# Altium PCB 4090ovo(003).pcbdoc (part 1 of 3) (continued)
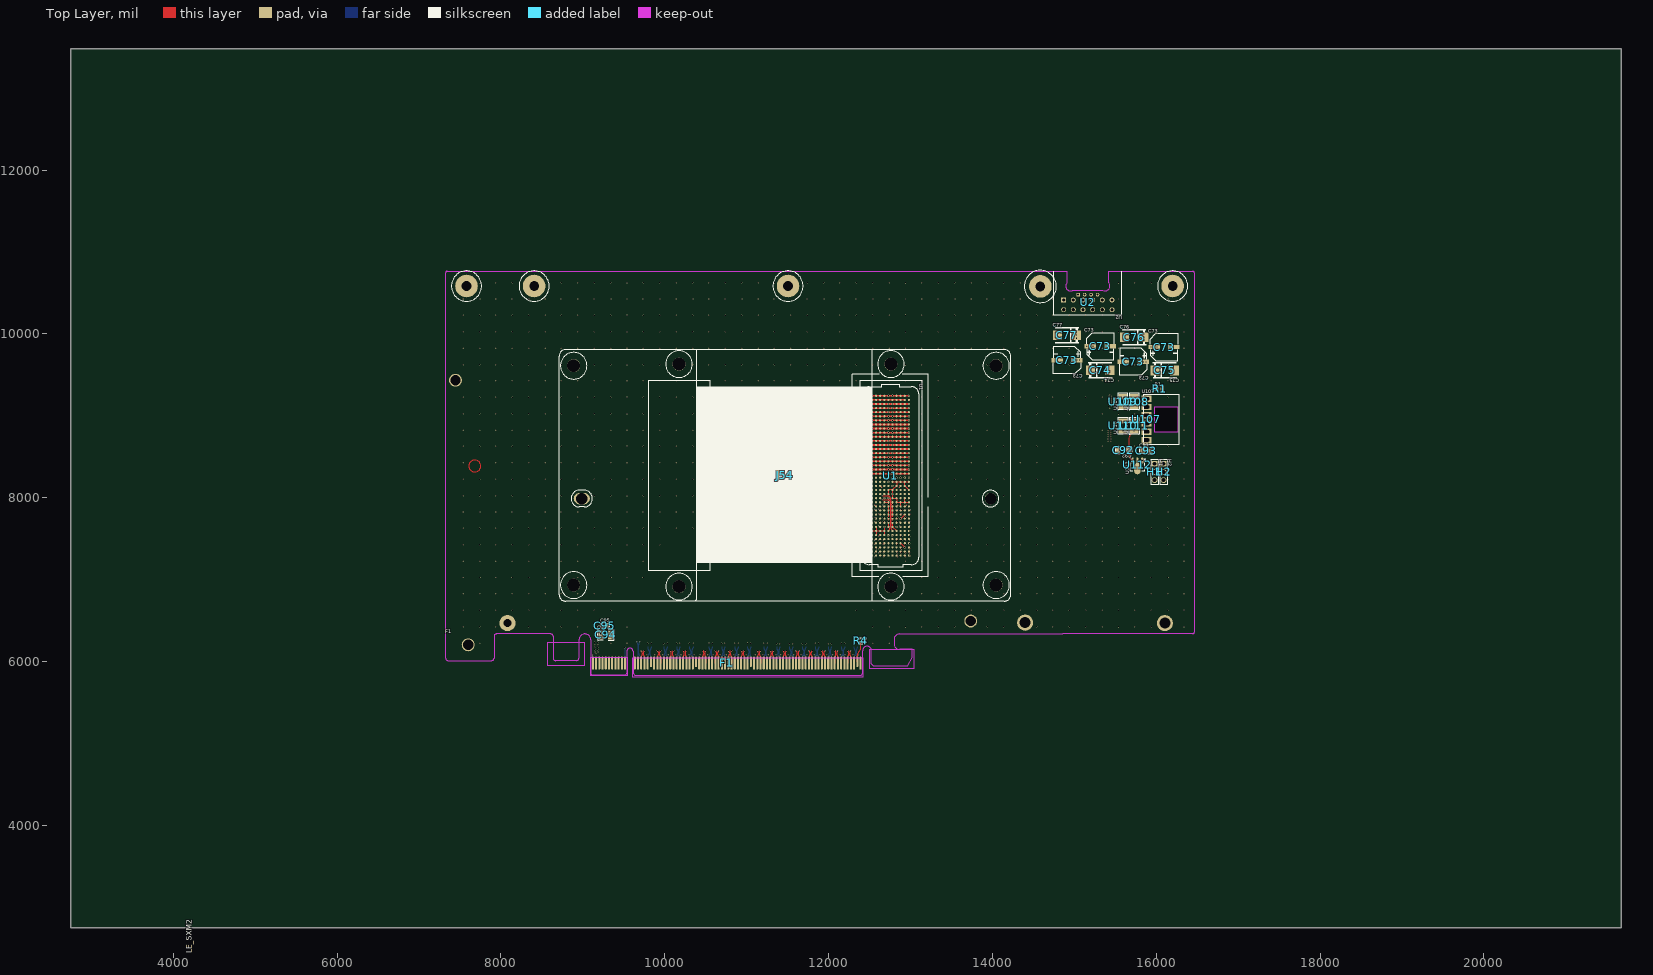
[diagram p0: Top Layer view]
## Components (designator, comment, footprint, x,y, rotation, side; value= is the part's Value field where it differs from the comment)
C1 "CL05B224KO5NNNC" C0402 9985,6200 r90 bottom
C2 "CL05B224KO5NNNC" C0402 10030,6200 r90 bottom
C3 "CL05B224KO5NNNC" C0402 10145,6200 r90 bottom
C4 "CL05B224KO5NNNC" C0402 10185,6200 r90 bottom
C5 "CL05B224KO5NNNC" C0402 10300,6200 r90 bottom
C6 "CL05B224KO5NNNC" C0402 10345,6200 r90 bottom
C7 "CL05B224KO5NNNC" C0402 10540,6200 r90 bottom
C8 "CL05B224KO5NNNC" C0402 10580,6200 r90 bottom
C9 "CL05B224KO5NNNC" C0402 10695,6200 r90 bottom
C10 "CL05B224KO5NNNC" C0402 10735,6200 r90 bottom
C11 "CL05B224KO5NNNC" C0402 10855,6200 r90 bottom
C12 "CL05B224KO5NNNC" C0402 10895,6200 r90 bottom
C13 "CL05B224KO5NNNC" C0402 11010,6200 r90 bottom
C14 "CL05B224KO5NNNC" C0402 11050,6200 r90 bottom
C15 "CL05B224KO5NNNC" C0402 11210,6200 r90 bottom
C16 "CL05B224KO5NNNC" C0402 11250,6200 r90 bottom
C17 "CL05B224KO5NNNC" C0402 11365,6200 r90 bottom
C18 "CL05B224KO5NNNC" C0402 11405,6200 r90 bottom
C19 "CL05B224KO5NNNC" C0402 11520,6200 r90 bottom
C20 "CL05B224KO5NNNC" C0402 11565,6200 r90 bottom
C21 "CL05B224KO5NNNC" C0402 11680,6200 r90 bottom
C22 "CL05B224KO5NNNC" C0402 11720,6200 r90 bottom
C23 "CL05B224KO5NNNC" C0402 11835,6200 r90 bottom
C24 "CL05B224KO5NNNC" C0402 11880,6200 r90 bottom
C25 "CL05B224KO5NNNC" C0402 11995,6200 r90 bottom
C26 "CL05B224KO5NNNC" C0402 12035,6200 r90 bottom
C27 "CL05B224KO5NNNC" C0402 12155,6200 r90 bottom
C28 "CL05B224KO5NNNC" C0402 12195,6200 r90 bottom
C29 "CL05B224KO5NNNC" C0402 12310,6200 r90 bottom
C30 "CL05B224KO5NNNC" C0402 12350,6200 r90 bottom
C61 "CL05B224KO5NNNC" C0402 9790,6200 r90 bottom
C62 "CL05B224KO5NNNC" C0402 9835,6200 r90 bottom
C70 "CAP_0603" C0603 12980,8220 r270 bottom
C71 "CAP_0603" C0603 12881.62,8220 r270 bottom
C72 "CAP_0603" C0603 12779.78,8220 r270 bottom
C73 "SPT1EM471F09TRVZC" CAP-SMD_BD8.0-L8.3-W8.3-LS8.5-FD 15315,9850 r0 top
C73 "SPT1EM471F09TRVZC" CAP-SMD_BD8.0-L8.3-W8.3-LS8.5-FD 14910,9680 r180 top
C73 "SPT1EM471F09TRVZC" CAP-SMD_BD8.0-L8.3-W8.3-LS8.5-FD 15720,9660 r180 top
C73 "SPT1EM471F09TRVZC" CAP-SMD_BD8.0-L8.3-W8.3-LS8.5-FD 16095,9840 r0 top
C74 "CA45B-D-25V-47UF-K" CASE-D_7343 15315,9558.12 r180 top
C75 "CA45B-D-25V-47UF-K" CASE-D_7343 16105,9555 r180 top
C76 "CA45B-D-25V-47UF-K" CASE-D_7343 15730,9960 r0 top
C77 "CA45B-D-25V-47UF-K" CASE-D_7343 14910,9984.79 r0 top
C78 "TCC0805X7R105M250FTF" C0805 12490,9245 r180 bottom
C79 "TCC0805X7R105M250FTF" C0805 12490,9118.31 r180 bottom
C80 "TCC0805X7R105M250FTF" C0805 12490,8970 r180 bottom
C81 "TCC0805X7R105M250FTF" C0805 12490,8820.69 r180 bottom
C82 "TCC0805X7R105M250FTF" C0805 12490,8671.89 r180 bottom
C83 "TCC0805X7R105M250FTF" C0805 12490,8519.13 r180 bottom
C84 "TCC0805X7R105M250FTF" C0805 12490,8369.01 r180 bottom
C85 "TCC0805X7R105M250FTF" C0805 13020,9245 r0 bottom
C86 "TCC0805X7R105M250FTF" C0805 13020,9120.94 r0 bottom
C87 "TCC0805X7R105M250FTF" C0805 13020,8970.82 r0 bottom
C88 "TCC0805X7R105M250FTF" C0805 13020,8819.38 r0 bottom
C89 "TCC0805X7R105M250FTF" C0805 13020,8671.89 r0 bottom
C90 "TCC0805X7R105M250FTF" C0805 13020,8519.13 r0 bottom
C91 "TCC0805X7R105M250FTF" C0805 13020,8372.96 r0 bottom
C92 "HGC1206R7226K160NSPJ" C1206 15600,8580 r180 top
C93 "AC0805KKX7R5BB106" C0805 15875,8575 r0 top
C94 "HGC1210R5476M250NSVK" C1210 9280,6325 r0 top
C95 "CL10A106MA8NRNC" C0603 9270,6440 r0 top
F1 "Gold Finger CEMx16" "Gold Finger CEM GEN5x16" 10770,6345 r0 top
H1 "2.54-1*3P针" HDR-TH_3P-P2.54-V-M-1 15980,8315 r270 top
H2 "2.54-1*3P针" HDR-TH_3P-P2.54-V-M-1 16090,8315 r270 top
J54 "ProPrj_S2W_SXM2_GPU_2025-01-11:MODULE_SXM2" ProPrj_S2W_SXM2_GPU_2025-01-11:MODULE_SXM2 14005,8015 r0 top
R1 "Res_0603" R0603 16040,9330 r0 top
R2 "Res_0603" R0603 12620,8130 r180 bottom
R3 "Res_0603" R0603 12890,8130 r0 bottom
R4 "FRC0402F0000TS" R0402 12395,6255 r270 top
U1 "84740-102LF" CONN-SMD_400P-P1.27_84740-002LF 12755,8270 r270 top
U2 "10160920-1240100LF PCIE-5.0 12+4PIN电源接口" "10160920-1240100LF PCIE-5.0 12+4PIN电源接口" 15165,10355 r180 top
U107 "ZXDN10S最小封装s" ZXDN10S最小封装 15880,8705 r0 top
U108 "100uF/16V-C1210" C1210 15730,9175 r90 top
U109 "100uF/16V-C1210" C1210 15592.51,9175 r90 top
U110 "100uF/16V-C1210" C1210 15593.83,8878.09 r90 top
U111 "100uF/16V-C1210" C1210 15730,8878.09 r90 top
U112 "AMS1117-1.8V" SOT-89-3_L4.5-W2.5-P1.50-LS4.1-BR 15770,8405 r90 top

## Footprints (in the part's own frame and the unit in brackets; to place one, negate y for a bottom-side part, rotate by r counter-clockwise, add the part's x,y. Pads: shape width x height; smd on the part's side, far side on the other; paste and mask are expansions set on the pad)
"10160920-1240100LF PCIE-5.0 12+4PIN电源接口" [mm]
  rect 1.52x1.52 hole 1.02: 1(7.5,-1.5)
  round 1.52 hole 1.02: 2(4.5,-1.5) 3(1.5,-1.5) 4(-1.5,-1.5) 5(-4.5,-1.5) 6(-7.5,-1.5) 7(7.5,1.5) 8(4.5,1.5) 9(1.5,1.5) 10(-1.5,1.5) 11(-4.5,1.5) 12(-7.5,1.5)
  rect 1.1x1.1 hole 0.6: s1(3,-3.17)
  round 1.1 hole 0.6: s2(1,-3.17) s3(-1,-3.17) s4(-3,-3.17)
  Board Outline Layer lines w0.254: 6.5,-10.42 10.5,-10.42 6.5,-10.42 ; 6.5,-10.42 6.49,-6.795 ; 6.5,-10.42 6.49,-6.795 ; 6.49,-6.795 ccw(c5.347,-5.82) 4.692,-4.469 cw(c5.347,-5.82) 6.49,-6.795 ; -4.692,-4.472 4.692,-4.469 -4.692,-4.472 ; -4.692,-4.472 ccw(c-5.348,-5.829) -6.499,-6.801 cw(c-5.348,-5.829) -4.692,-4.472 ; -6.499,-10.42 -6.499,-6.801 -6.499,-10.42 ; -6.499,-10.42 -10.5,-10.42 -6.499,-10.42
  silkscreen extent -10.5,-10.42 10.51,3.15
C0402 [mm]
  rect 0.79x0.54 smd: 1(-0.545,0) 2(0.545,0)
  silkscreen extent -1.17,-0.5 1.17,0.5
C0603 [mm]
  rect 0.8x0.9 smd: 1(-0.7,0) 2(0.7,0)
  silkscreen extent -1.41,-0.71 1.39,0.72
C0805 [mm]
  rect 1.41x1.35 smd: 1(-1,0) 2(1,0)
  silkscreen extent -1.96,-0.9 1.96,0.9
C1206 [mm]
  rect 1.485x1.728 smd: 1(-1.593,0) 2(1.593,0)
  silkscreen extent -2.56,-1.09 2.56,1.09
C1210 [mm]
  rect 1.635x2.7 smd: 1(-1.517,0) 2(1.517,0)
  silkscreen extent -2.56,-1.58 2.56,1.58
CAP-SMD_BD8.0-L8.3-W8.3-LS8.5-FD [mm]
  rect 3.56x1.33 smd: 1(-3.07,0) 2(3.07,0)
  silkscreen extent -4.23,-4.23 4.23,4.23
CASE-D_7343 [mil]
  rect 110.2x118.5 smd: 1(118.11,0) 2(-118.11,0)
  silkscreen extent -146,-91 146,91
CONN-SMD_400P-P1.27_84740-002LF [mil]
  round 26 smd: A1(975,-224.99) A2(925,-224.99) A3(875,-224.99) A4(825,-224.99) A5(775,-224.99) A6(725,-224.99) A7(675,-224.99) A8(625,-224.99) A9(575,-224.99) A10(525,-224.99) A11(475,-224.99) A12(425,-224.99) A13(375,-224.99) A14(325,-224.99) A15(275,-224.99) A16(225,-224.99) A17(175,-224.99) A18(125,-224.99) A19(75,-224.99) A20(25,-224.99) A21(-25,-224.99) A22(-75,-224.99) A23(-125,-224.99) A24(-175,-224.99) A25(-225,-224.99) A26(-275,-224.99) A27(-325,-224.99) A28(-375,-224.99) A29(-425,-224.99) A30(-475,-224.99) A31(-525,-224.99) A32(-575,-224.99) A33(-625,-224.99) A34(-675,-224.99) A35(-725,-224.99) A36(-775,-224.99) A37(-825,-224.99) A38(-875,-224.99) A39(-925,-224.99) A40(-975,-224.99) B1(975,-174.99) B2(925,-174.99) B3(875,-174.99) B4(825,-174.99) B5(775,-174.99) B6(725,-174.99) B7(675,-174.99) B8(625,-174.99) B9(575,-174.99) B10(525,-174.99) B11(475,-174.99) B12(425,-174.99) B13(375,-174.99) B14(325,-174.99) B15(275,-174.99) B16(225,-174.99) B17(175,-174.99) B18(125,-174.99) B19(75,-174.99) B20(25,-174.99) B21(-25,-174.99) B22(-75,-174.99) B23(-125,-174.99) B24(-175,-174.99) B25(-225,-174.99) B26(-275,-174.99) B27(-325,-174.99) B28(-375,-174.99) B29(-425,-174.99) B30(-475,-174.99) B31(-525,-174.99) B32(-575,-174.99) B33(-625,-174.99) B34(-675,-174.99) B35(-725,-174.99) B36(-775,-174.99) B37(-825,-174.99) B38(-875,-174.99) B39(-925,-174.99) B40(-975,-174.99) C1(975,-124.99) C2(925,-124.99) C3(875,-124.99) C4(825,-124.99) C5(775,-124.99) C6(725,-124.99) C7(675,-124.99) C8(625,-124.99) C9(575,-124.99) C10(525,-124.99) C11(475,-124.99) C12(425,-124.99) C13(375,-124.99) C14(325,-124.99) C15(275,-124.99) C16(225,-124.99) C17(175,-124.99) C18(125,-124.99) C19(75,-124.99) C20(25,-124.99) C21(-25,-124.99) C22(-75,-124.99) C23(-125,-124.99) C24(-175,-124.99) C25(-225,-124.99) C26(-275,-124.99) C27(-325,-124.99) C28(-375,-124.99) C29(-425,-124.99) C30(-475,-124.99) C31(-525,-124.99) C32(-575,-124.99) C33(-625,-124.99) C34(-675,-124.99) C35(-725,-124.99) C36(-775,-124.99) C37(-825,-124.99) C38(-875,-124.99) C39(-925,-124.99) C40(-975,-124.99) D1(975,-74.99) D2(925,-74.99) D3(875,-74.99) D4(825,-74.99) D5(775,-74.99) D6(725,-74.99) D7(675,-74.99) D8(625,-74.99) D9(575,-74.99) D10(525,-74.99) D11(475,-74.99) D12(425,-74.99) D13(375,-74.99) D14(325,-74.99) D15(275,-74.99) D16(225,-74.99) D17(175,-74.99) D18(125,-74.99) D19(75,-74.99) D20(25,-74.99) D21(-25,-74.99) D22(-75,-74.99) D23(-125,-74.99) D24(-175,-74.99) D25(-225,-74.99) D26(-275,-74.99) D27(-325,-74.99) D28(-375,-74.99) D29(-425,-74.99) D30(-475,-74.99) D31(-525,-74.99) D32(-575,-74.99) D33(-625,-74.99) D34(-675,-74.99) D35(-725,-74.99) D36(-775,-74.99) D37(-825,-74.99) D38(-875,-74.99) D39(-925,-74.99) D40(-975,-74.99) E1(975,-24.99) E2(925,-24.99) E3(875,-24.99) E4(825,-24.99) E5(775,-24.99) E6(725,-24.99) E7(675,-24.99) E8(625,-24.99) E9(575,-24.99) E10(525,-24.99) E11(475,-24.99) E12(425,-24.99) E13(375,-24.99) E14(325,-24.99) E15(275,-24.99) E16(225,-24.99) E17(175,-24.99) E18(125,-24.99) E19(75,-24.99) E20(25,-24.99) E21(-25,-24.99) E22(-75,-24.99) E23(-125,-24.99) E24(-175,-24.99) E25(-225,-24.99) E26(-275,-24.99) E27(-325,-24.99) E28(-375,-24.99) E29(-425,-24.99) E30(-475,-24.99) E31(-525,-24.99) E32(-575,-24.99) E33(-625,-24.99) E34(-675,-24.99) E35(-725,-24.99) E36(-775,-24.99) E37(-825,-24.99) E38(-875,-24.99) E39(-925,-24.99) E40(-975,-24.99) F1(975,25.01) F2(925,25.01) F3(875,25.01) F4(825,25.01) F5(775,25.01) F6(725,25.01) F7(675,25.01) F8(625,25.01) F9(575,25.01) F10(525,25.01) F11(475,25.01) F12(425,25.01) F13(375,25.01) F14(325,25.01) F15(275,25.01) F16(225,25.01) F17(175,25.01) F18(125,25.01) F19(75,25.01) F20(25,25.01) F21(-25,25.01) F22(-75,25.01) F23(-125,25.01) F24(-175,25.01) F25(-225,25.01) F26(-275,25.01) F27(-325,25.01) F28(-375,25.01) F29(-425,25.01) F30(-475,25.01) F31(-525,25.01) F32(-575,25.01) F33(-625,25.01) F34(-675,25.01) F35(-725,25.01) F36(-775,25.01) F37(-825,25.01) F38(-875,25.01) F39(-925,25.01) F40(-975,25.01) G1(975,75.01) G2(925,75.01) G3(875,75.01) G4(825,75.01) G5(775,75.01) G6(725,75.01) G7(675,75.01) G8(625,75.01) G9(575,75.01) G10(525,75.01) G11(475,75.01) G12(425,75.01) G13(375,75.01) G14(325,75.01) G15(275,75.01) G16(225,75.01) G17(175,75.01) G18(125,75.01) G19(75,75.01) G20(25,75.01) G21(-25,75.01) G22(-75,75.01) G23(-125,75.01) G24(-175,75.01) G25(-225,75.01) G26(-275,75.01) G27(-325,75.01) G28(-375,75.01) G29(-425,75.01) G30(-475,75.01) G31(-525,75.01) G32(-575,75.01) G33(-625,75.01) G34(-675,75.01) G35(-725,75.01) G36(-775,75.01) G37(-825,75.01) G38(-875,75.01) G39(-925,75.01) G40(-975,75.01) H1(975,125.01) H2(925,125.01) H3(875,125.01) H4(825,125.01) H5(775,125.01) H6(725,125.01) H7(675,125.01) H8(625,125.01) H9(575,125.01) H10(525,125.01) H11(475,125.01) H12(425,125.01) H13(375,125.01) H14(325,125.01) H15(275,125.01) H16(225,125.01) H17(175,125.01) H18(125,125.01) H19(75,125.01) H20(25,125.01) H21(-25,125.01) H22(-75,125.01) H23(-125,125.01) H24(-175,125.01) H25(-225,125.01) H26(-275,125.01) H27(-325,125.01) H28(-375,125.01) H29(-425,125.01) H30(-475,125.01) H31(-525,125.01) H32(-575,125.01) H33(-625,125.01) H34(-675,125.01) H35(-725,125.01) H36(-775,125.01) H37(-825,125.01) H38(-875,125.01) H39(-925,125.01) H40(-975,125.01) J1(975,175.01) J2(925,175.01) J3(875,175.01) J4(825,175.01) J5(775,175.01) J6(725,175.01) J7(675,175.01) J8(625,175.01) J9(575,175.01) J10(525,175.01) J11(475,175.01) J12(425,175.01) J13(375,175.01) J14(325,175.01) J15(275,175.01) J16(225,175.01) J17(175,175.01) J18(125,175.01) J19(75,175.01) J20(25,175.01) J21(-25,175.01) J22(-75,175.01) J23(-125,175.01) J24(-175,175.01) J25(-225,175.01) J26(-275,175.01) J27(-325,175.01) J28(-375,175.01) J29(-425,175.01) J30(-475,175.01) J31(-525,175.01) J32(-575,175.01) J33(-625,175.01) J34(-675,175.01) J35(-725,175.01) J36(-775,175.01) J37(-825,175.01) J38(-875,175.01) J39(-925,175.01) J40(-975,175.01) K1(975,225.01) K2(925,225.01) K3(875,225.01) K4(825,225.01) K5(775,225.01) K6(725,225.01) K7(675,225.01) K8(625,225.01) K9(575,225.01) K10(525,225.01) K11(475,225.01) K12(425,225.01) K13(375,225.01) K14(325,225.01) K15(275,225.01) K16(225,225.01) K17(175,225.01) K18(125,225.01) K19(75,225.01) K20(25,225.01) K21(-25,225.01) K22(-75,225.01) K23(-125,225.01) K24(-175,225.01) K25(-225,225.01) K26(-275,225.01) K27(-325,225.01) K28(-375,225.01) K29(-425,225.01) K30(-475,225.01) K31(-525,225.01) K32(-575,225.01) K33(-625,225.01) K34(-675,225.01) K35(-725,225.01) K36(-775,225.01) K37(-825,225.01) K38(-875,225.01) K39(-925,225.01) K40(-975,225.01)
  silkscreen extent -1236,-539 1236,463
"Gold Finger CEM GEN5x16" [mil]
  oval 25x128 smd far side: A1(-1647.95,-347.78)
  oval 25x160 smd far side: A2(-1608.58,-363.78) A3(-1569.21,-363.78) A4(-1529.84,-363.78) A5(-1490.47,-363.78) A6(-1451.1,-363.78) A7(-1411.73,-363.78) A8(-1372.35,-363.78) A9(-1332.99,-363.78) A10(-1293.61,-363.78) A11(-1254.24,-363.78) A12(-1136.13,-363.78) A13(-1096.76,-363.78) A14(-1057.39,-363.78) A15(-1018.02,-363.78) A16(-978.65,-363.78) A17(-939.28,-363.78) A18(-899.91,-363.78) A19(-860.54,-363.78) A20(-821.17,-363.78) A21(-781.8,-363.78) A22(-742.43,-363.78) A23(-703.06,-363.78) A24(-663.69,-363.78) A25(-624.32,-363.78) A26(-584.95,-363.78) A27(-545.58,-363.78) A28(-506.21,-363.78) A29(-466.84,-363.78) A30(-427.47,-363.78) A31(-388.1,-363.78) A32(-348.73,-363.78) A33(-309.36,-363.78) A34(-269.99,-363.78) A35(-230.62,-363.78) A36(-191.25,-363.78) A37(-151.88,-363.78) A38(-112.51,-363.78) A39(-73.14,-363.78) A40(-33.77,-363.78) A41(5.6,-363.78) A42(44.97,-363.78) A43(84.34,-363.78) A44(123.71,-363.78) A45(163.08,-363.78) A46(202.45,-363.78) A47(241.82,-363.78) A48(281.19,-363.78) A49(320.56,-363.78) A50(359.93,-363.78) A51(399.3,-363.78) A52(438.67,-363.78) A53(478.04,-363.78) A54(517.41,-363.78) A55(556.78,-363.78) A56(596.15,-363.78) A57(635.52,-363.78) A58(674.89,-363.78) A59(714.26,-363.78) A60(753.63,-363.78) A61(793,-363.78) A62(832.37,-363.78) A63(871.74,-363.78) A64(911.11,-363.78) A65(950.48,-363.78) A66(989.85,-363.78) A67(1029.22,-363.78) A68(1068.59,-363.78) A69(1107.96,-363.78) A70(1147.33,-363.78) A71(1186.7,-363.78) A72(1226.07,-363.78) A73(1265.44,-363.78) A74(1304.81,-363.78) A75(1344.18,-363.78) A76(1383.55,-363.78) A77(1422.92,-363.78) A78(1462.29,-363.78) A79(1501.66,-363.78) A80(1541.03,-363.78) A81(1580.4,-363.78) A82(1619.77,-363.78)
  oval 25x160 smd: B1(-1647.95,-364.18) B2(-1608.58,-363.78) B3(-1569.21,-363.78) B4(-1529.84,-363.78) B5(-1490.47,-363.78) B6(-1451.1,-363.78) B7(-1411.73,-363.78) B8(-1372.35,-363.78) B9(-1332.99,-363.78) B10(-1293.61,-363.78) B11(-1254.24,-363.78) B12(-1136.13,-363.78) B13(-1096.76,-363.78) B14(-1057.39,-363.78) B15(-1018.02,-363.78) B16(-978.65,-363.78) B18(-899.91,-363.78) B19(-860.54,-363.78) B20(-821.17,-363.78) B21(-781.8,-363.78) B22(-742.43,-363.78) B23(-703.06,-363.78) B24(-663.69,-363.78) B25(-624.32,-363.78) B26(-584.95,-363.78) B27(-545.58,-363.78) B28(-506.21,-363.78) B29(-466.84,-363.78) B30(-427.47,-363.78) B32(-348.73,-363.78) B33(-309.36,-363.78) B34(-269.99,-363.78) B35(-230.62,-363.78) B36(-191.25,-363.78) B37(-151.88,-363.78) B38(-112.51,-363.78) B39(-73.14,-363.78) B40(-33.77,-363.78) B41(5.6,-363.78) B42(44.97,-363.78) B43(84.34,-363.78) B44(123.71,-363.78) B45(163.08,-363.78) B46(202.45,-363.78) B47(241.82,-363.78) B49(320.56,-363.78) B50(359.93,-363.78) B51(399.3,-363.78) B52(438.67,-363.78) B53(478.04,-363.78) B54(517.41,-363.78) B55(556.78,-363.78) B56(596.15,-363.78) B57(635.52,-363.78) B58(674.89,-363.78) B59(714.26,-363.78) B60(753.63,-363.78) B61(793,-363.78) B62(832.37,-363.78) B63(871.74,-363.78) B64(911.11,-363.78) B65(950.48,-363.78) B66(989.85,-363.78) B67(1029.22,-363.78) B68(1068.59,-363.78) B69(1107.96,-363.78) B70(1147.33,-363.78) B71(1186.7,-363.78) B72(1226.07,-363.78) B73(1265.44,-363.78) B74(1304.81,-363.78) B75(1344.18,-363.78) B76(1383.55,-363.78) B77(1422.92,-363.78) B78(1462.29,-363.78) B79(1501.66,-363.78) B80(1541.03,-363.78) B82(1619.77,-363.78)
  oval 25x128 smd: B17(-939.28,-347.78) B31(-388.1,-347.78) B48(281.19,-347.78) B81(1580.4,-347.78)
  Board Outline Layer lines w6: -3415.66,-332.64 cw(c-3415.66,-303.11) -3445.19,-303.11 ccw(c-3415.66,-303.11) -3415.66,-332.64 ; -3415.66,-332.64 -2884.16,-332.64 ; -3415.66,-332.64 -2884.16,-332.64 ; -2884.16,-332.64 ccw(c-2884.16,-303.11) -2854.64,-303.11 ; -2884.16,-332.64 ccw(c-2884.16,-303.11) -2854.64,-303.11 ; -2854.64,-303.11 -2854.64,-37.37 ; -2854.64,-303.11 -2854.64,-37.37 ; -2854.64,-37.37 cw(c-2825.11,-37.37) -2825.11,-7.84 ; -2854.64,-37.37 cw(c-2825.11,-37.37) -2825.11,-7.84 ; -2825.11,-7.84 -2161.72,-7.84 ; -2825.11,-7.84 -2161.72,-7.84 ; -2161.72,-7.84 cw(c-2161.72,-37.37) -2132.2,-37.37 ; -2161.72,-7.84 cw(c-2161.72,-37.37) -2132.2,-37.37 ; -2132.2,-303.11 -2132.2,-37.37 ; -2132.2,-303.11 -2132.2,-37.37 ; -2132.2,-303.11 ccw(c-2102.67,-303.11) -2102.67,-332.64 ; -2132.2,-303.11 ccw(c-2102.67,-303.11) -2102.67,-332.64 ; -2102.67,-332.64 -1846.76,-332.64 ; -2102.67,-332.64 -1846.76,-332.64 ; -1846.76,-332.64 ccw(c-1846.76,-303.11) -1817.24,-303.11 ; -1846.76,-332.64 ccw(c-1846.76,-303.11) -1817.24,-303.11 ; -1817.24,-303.11 -1817.24,-79.69 ; -1817.24,-303.11 -1817.24,-79.69 ; -1817.24,-79.69 cw(c-1745.39,-79.69) -1673.54,-79.69 ; -1817.24,-79.69 cw(c-1745.39,-79.69) -1673.54,-79.69 ; -1673.54,-490.12 -1673.54,-79.69 ; -1673.54,-490.12 -1673.54,-79.69 ; -1673.54,-490.12 -1653.85,-509.81 ; -1673.54,-490.12 -1653.85,-509.81 ; -1653.85,-509.81 -1252.28,-509.81 ; -1653.85,-509.81 -1252.28,-509.81 ; -1252.28,-509.81 -1232.59,-490.12 ; -1252.28,-509.81 -1232.59,-490.12 ; -1232.59,-490.12 -1232.59,-216.5 ; -1232.59,-490.12 -1232.59,-216.5 ; -1232.59,-216.5 cw(c-1195.19,-216.5) -1157.79,-216.5 ; -1232.59,-216.5 cw(c-1195.19,-216.5) -1157.79,-216.5 ; -1157.79,-490.12 -1157.79,-216.5 ; -1157.79,-490.12 -1138.1,-509.81 ; -1157.79,-490.12 -1157.79,-216.5 ; -1157.79,-490.12 -1138.1,-509.81 ; -1138.1,-509.81 1625.67,-509.81 ; -1138.1,-509.81 1625.67,-509.81 ; 1625.67,-509.81 1645.36,-490.12 ; 1625.67,-509.81 1645.36,-490.12 ; 1645.36,-490.12 1645.36,-210.4 ; 1645.36,-490.12 1645.36,-210.4 ; 1645.36,-210.4 cw(c1699.49,-210.4) 1753.62,-210.4 ; 1645.36,-210.4 cw(c1699.49,-210.4) 1753.62,-210.4 ; 1753.62,-373.98 1753.62,-210.4 ; 1753.62,-373.98 1753.62,-210.4 ; 1753.62,-373.98 1773.31,-393.66 ; 1753.62,-373.98 1773.31,-393.66 ; 1773.31,-393.66 2198.5,-393.66 ; 1773.31,-393.66 2198.5,-393.66 ; 2029.21,-127.92 2029.21,-76.74 ; 2029.21,-127.92 2029.21,-76.74 ; 2029.21,-127.92 ccw(c2098.11,-127.92) 2098.11,-196.81 ; 2029.21,-127.92 ccw(c2098.11,-127.92) 2098.11,-196.81 ; 2029.21,-76.74 cw(c2098.11,-76.74) 2098.11,-7.84 ccw(c2098.11,-76.74) 2029.21,-76.74 ; 2098.11,-196.81 2253.62,-196.81 ; 2098.11,-196.81 2253.62,-196.81 ; 2198.5,-393.66 2253.62,-298.2 ; 2198.5,-393.66 2253.62,-298.2 ; 2253.62,-298.2 2253.62,-196.81 ; 2253.62,-298.2 2253.62,-196.81
HDR-TH_3P-P2.54-V-M-1 [mm]
  rect 1.575x1.8 hole 1.2: 1(-2.54,0)
  round 1.8 hole 1.2: 2(0,0) 3(2.54,0)
  silkscreen extent -3.81,-1.27 3.81,1.27
ProPrj_S2W_SXM2_GPU_2025-01-11:MODULE_SXM2 [mil]
  round 157.99 hole 157.99: MH1(40.91,1597.04) MH2(-1244.54,1616.73) MH3(-3831.13,1616.73) MH4(-5116.56,1597.04) MH5(40.91,-1080.12) MH6(-1244.54,-1099.8) MH7(-3831.13,-1099.8) MH8(-5116.56,-1080.12)
  round 140 hole 140: MH9(-27.99,-25)
  oval 197.01x140 hole 140: MH10(-5018.16,-25)
  silkscreen extent -5294,-1277 218,1800
R0402 [mm]
  rect 0.566x0.54 smd: 1(-0.433,0) 2(0.433,0)
  silkscreen extent -0.94,-0.5 0.94,0.5
R0603 [mil]
  rect 31.75x34.02 smd: 1(-29.66,0) 2(29.66,0)
  silkscreen extent -55,-26 55,26
SOT-89-3_L4.5-W2.5-P1.50-LS4.1-BR [mm]
  oval 1.9x0.7 smd: 1(1.25,-1.501) 3(1.25,1.501)
  oval 3.5x2 smd: 2(-1.25,0)
  oval 2.1x0.7 smd: 2(1.151,0)
  silkscreen extent -1.85,-2.61 1.68,2.3
ZXDN10S最小封装 [mm]
  rect 3x2 hole 1.05 slot 1.9 at 0 deg: 1(0,0) 2(0,2.56) 3(0,5.12) 4(0,7.68) 5(0,10.24) 6(0,12.8)
  Board Outline Layer lines w0.025: 2.464,2.54 2.464,10.16 9.83,10.16 9.83,2.54 2.464,2.54
  Board Outline Layer region: 2.464,10.16 2.464,2.54 9.83,2.54 9.83,10.16
  Multi-Layer board cut-out: 2.464,10.16 2.464,2.54 9.83,2.54 9.83,10.16
  silkscreen extent -0.79,-1.41 9.97,14.23

## Free pads (board coordinates)
  round 157.48 hole 125.98: 1(7445,9435) 1(7600,6205) 1(13735,6495)
  round 275.59 hole 118.11: 3(7580,10585) 3(8404.95,10585) 3(11505,10585) 3(14585,10580) 3(16200,10585)
  round 196.85 hole 98.43: 3(8080,6470)
  round 196.85 hole 133.86: 3(14400,6475) 3(16105,6470)

## Via types
v1: diameter 17.7, hole 11.8, Top Layer to Bottom Layer, 1132 vias
v2: diameter 15, hole 10, Top Layer to Bottom Layer, 32 vias

## Nets (pads, with @x,y where several pads share a name; then routed paths per layer and width w, separated by ;. In a path a pad name is that pad's centre, name@x,y a point inside that pad or via, vN(x,y) a via of type N, cw(c..) or ccw(c..) an arc to the next point about the centre after c; other vN are vias at no path point)
1.8V: H1.1 H2.1 U112.2
+3V3: F1.A9 F1.A10 F1.B8
+5V: C70.1 C71.1 C72.1 C92.1 U1.F20 U1.G20 U1.H20 U1.J20 U1.K20 U107.2 U110.1 U111.1 U112.3 | length 400.1
  Top Layer w10: U112.3@15710.9,8454.2 15691.99,8473.11 cw(c15762.7,8543.82) 15662.7,8543.82 C92.1@15662.7,8580 15662.7,8706.38 cw(c15762.7,8706.38) 15691.99,8777.09 v1(15730,8815.1)
  other v1: 12780.01,8245 12830.01,8245 12880.01,8245 12930.01,8245 12980.01,8245 15415,8692.5 15445,8692.5 15415,8717.5 15445,8717.5 15415,8742.5 15445,8742.5 15415,8767.5 15445,8767.5 15415,8792.5 15445,8792.5 15415,8817.5 15445,8817.5 15593.83,8818.35
+12V: C73.1 C74.1 C75.1 C76.1 C77.1 C78.1 C79.1 C80.1 C81.1 C82.1 C83.1 C84.1 C85.1 C86.1 C87.1 C88.1 C89.1 C90.1 C91.1 C94.1 C95.1 F1.A2 F1.A3 F1.B1 F1.B2 F1.B3 U1.A22 U1.A23 U1.A25 U1.A26 U1.A28 U1.A29 U1.A31 U1.A32 U1.A34 U1.A35 U1.A37 U1.A38 U1.A40 U1.B22 U1.B23 U1.B25 U1.B26 U1.B28 U1.B29 U1.B31 U1.B32 U1.B34 U1.B35 U1.B37 U1.B38 U1.B40 U1.C22 U1.C23 U1.C25 U1.C26 U1.C28 U1.C29 U1.C31 U1.C32 U1.C34 U1.C35 U1.C37 U1.C38 U1.C40 U1.D22 U1.D23 U1.D25 U1.D26 U1.D28 U1.D29 U1.D31 U1.D32 U1.D34 U1.D35 U1.D37 U1.D38 U1.D40 U1.E22 U1.E23 U1.E25 U1.E26 U1.E28 U1.E29 U1.E31 U1.E32 U1.E34 U1.E35 U1.E37 U1.E38 U1.E40 U1.F22 U1.F23 U1.F25 U1.F26 U1.F28 U1.F29 U1.F31 U1.F32 U1.F34 U1.F35 U1.F37 U1.F38 U1.F40 U1.G22 U1.G23 U1.G25 U1.G26 U1.G28 U1.G29 U1.G31 U1.G32 U1.G34 U1.G35 U1.G37 U1.G38 U1.G40 U1.H22 U1.H23 U1.H25 U1.H26 U1.H28 U1.H29 U1.H31 U1.H32 U1.H34 U1.H35 U1.H37 U1.H38 U1.H40 U1.J22 U1.J23 U1.J25 U1.J26 U1.J28 U1.J29 U1.J31 U1.J32 U1.J34 U1.J35 U1.J37 U1.J38 U1.J40 U1.K22 U1.K23 U1.K25 U1.K26 U1.K28 U1.K29 U1.K31 U1.K32 U1.K34 U1.K35 U1.K37 U1.K38 U1.K40 U2.1 U2.2 U2.3 U2.4 U2.5 U2.6 U107.5 U108.1 U109.1 | length 5850
  Top Layer w20: v1(12530.01,8345) U1.B22@12580.01,8345 U1.C22@12630.01,8345 U1.D22@12680.01,8345 v1(12730.01,8345) v1(12780.01,8345) U1.G22@12830.01,8345 U1.H22@12880.01,8345 U1.J22@12930.01,8345 v1(12980.01,8345) ; v1(12530.01,8395) U1.B23@12580.01,8395 U1.C23@12630.01,8395 U1.D23@12680.01,8395 v1(12730.01,8395) v1(12780.01,8395) U1.G23@12830.01,8395 U1.H23@12880.01,8395 U1.J23@12930.01,8395 v1(12980.01,8395) ; v1(12530.01,8495) U1.B25@12580.01,8495 U1.C25@12630.01,8495 U1.D25@12680.01,8495 v1(12730.01,8495) v1(12780.01,8495) U1.G25@12830.01,8495 U1.H25@12880.01,8495 U1.J25@12930.01,8495 v1(12980.01,8495) ; U1.A26@12530.01,8545 U1.B26@12580.01,8545 U1.C26@12630.01,8545 U1.D26@12680.01,8545 v1(12730.01,8545) v1(12780.01,8545) U1.G26@12830.01,8545 U1.H26@12880.01,8545 U1.J26@12930.01,8545 v1(12980.01,8545) ; v1(12530.01,8645) U1.B28@12580.01,8645 U1.C28@12630.01,8645 U1.D28@12680.01,8645 v1(12730.01,8645) v1(12780.01,8645) U1.G28@12830.01,8645 U1.H28@12880.01,8645 U1.J28@12930.01,8645 v1(12980.01,8645) ; v1(12530.01,8695) U1.B29@12580.01,8695 U1.C29@12630.01,8695 U1.D29@12680.01,8695 v1(12730.01,8695) v1(12780.01,8695) U1.G29@12830.01,8695 U1.H29@12880.01,8695 U1.J29@12930.01,8695 v1(12980.01,8695) ; v1(12530.01,8795) U1.B31@12580.01,8795 U1.C31@12630.01,8795 U1.D31@12680.01,8795 v1(12730.01,8795) v1(12780.01,8795) U1.G31@12830.01,8795 U1.H31@12880.01,8795 U1.J31@12930.01,8795 v1(12980.01,8795) ; U1.A32@12530.01,8845 U1.B32@12580.01,8845 U1.C32@12630.01,8845 U1.D32@12680.01,8845 v1(12730.01,8845) v1(12780.01,8845) U1.G32@12830.01,8845 U1.H32@12880.01,8845 U1.J32@12930.01,8845 v1(12980.01,8845) ; v1(12530.01,8945) U1.B34@12580.01,8945 U1.C34@12630.01,8945 U1.D34@12680.01,8945 v1(12730.01,8945) v1(12780.01,8945) U1.G34@12830.01,8945 U1.H34@12880.01,8945 U1.J34@12930.01,8945 v1(12980.01,8945) ; v1(12530.01,8995) U1.B35@12580.01,8995 U1.C35@12630.01,8995 U1.D35@12680.01,8995 v1(12730.01,8995) v1(12780.01,8995) U1.G35@12830.01,8995 U1.H35@12880.01,8995 U1.J35@12930.01,8995 v1(12980.01,8995) ; v1(12530.01,9095) U1.B37@12580.01,9095 U1.C37@12630.01,9095 U1.D37@12680.01,9095 v1(12730.01,9095) v1(12780.01,9095) U1.G37@12830.01,9095 U1.H37@12880.01,9095 U1.J37@12930.01,9095 v1(12980.01,9095) ; v1(12530.01,9145) U1.B38@12580.01,9145 U1.C38@12630.01,9145 U1.D38@12680.01,9145 v1(12730.01,9145) v1(12780.01,9145) U1.G38@12830.01,9145 U1.H38@12880.01,9145 U1.J38@12930.01,9145 v1(12980.01,9145) ; v1(12530.01,9245) U1.B40@12580.01,9245 U1.C40@12630.01,9245 U1.D40@12680.01,9245 v1(12730.01,9245) v1(12780.01,9245) U1.G40@12830.01,9245 U1.H40@12880.01,9245 U1.J40@12930.01,9245 v1(12980.01,9245)
  other v1: 9165,6095 9144.57,6117.34 9180.48,6117.34 9144.57,6145.95 9180.48,6145.95 9145,6175 9180.48,6175 9145,6205 9180,6205 9145,6235 9180.48,6235 9215,6297.93 9215,6340 9245,6429.39 9245,6455 12529.59,8545 12530.01,8845.43 15435,9095 15420,9115 15450,9115 15420,9140 15450,9140 15420,9165 15450,9165 15420,9190 15450,9190 15420,9215 15450,9215 15420,9240 15450,9240 15435,9260 15196.89,9514.41 15986.89,9517.04 15986.89,9553.23 15196.89,9558.12 15986.89,9590.79 15196.89,9596.06 15804.15,9660 15840.87,9660 15874.38,9660 14992.08,9680 15030.87,9680 15064.94,9680 15934.96,9840 15974.13,9840 16009.58,9840 15151.61,9850 15194.13,9850 15229.11,9850 15848.11,9923.52 15028.11,9947.22 15848.11,9961.77 15028.11,9984.79 15848.11,9997.26 15028.11,10024.48
ADJ: U107.6
CLK+: F1.A13 U1.F7 | length 4675.9
  Top Layer w4.5: v1(12655,8022.69) 12720,8022.69 cw(c12720,7984.35) 12755,8000 cw(c12708.55,7979.23) 12759.26,7975 12759.26,7645.1 ccw(c12830.1,7645.1) U1.F7@12780.01,7595
  Inner4 w4.5: v1(9660,6240) 9660,6249.24 cw(c9683.21,6249.24) 9666.8,6265.65 9670.06,6268.91 ccw(c9661.52,6277.45) 9673.6,6277.45 9673.6,6282.45 cw(c12014.49,6282.45) 9686.2,6525.01 9686.2,6525.25 9690,6660 cw(c10326.67,6642.03) 9740,6890 cw(c10372.5,6622.66) 9835,7050 cw(c10239.19,6728.64) 10235,7245 ccw(c10223.6,8648.86) 10460,7265 ccw(c10135.02,9167.43) 11056.66,7471.72 ; 11056.68,7471.73 ccw(c1341.08,25297.83) 11064.58,7476.04 ; 11064.56,7476.03 11695,7820 cw(c12515.99,6315.26) 11955,7935 cw(c12359.67,6766.59) 12360,8003.09 12607.7,8003.09 ccw(c12607.7,8069.99) v1(12655,8022.69)
  Bottom Layer w4.5: v1(9660,6240) cw(c9627.18,6207.18) 9673.6,6207.18 9673.6,5982.09 cw(c9672.37,5982.09) F1.A13@9673.24,5981.22
CLK-: F1.A14 U1.E7 | length 4673.6
  Top Layer w4.5: v1(12655,7975) 12730,7975 cw(c12730,7954.17) 12750,7960 12750.76,7645.1 cw(c12679.91,7645.1) U1.E7@12730.01,7595
  Inner4 w4.5: v1(9695.69,6240) 9695.69,6249.24 ccw(c9672.48,6249.24) 9688.89,6265.65 9685.63,6268.91 cw(c9694.17,6277.45) 9682.1,6277.45 9682.1,6282.45 cw(c12023.61,6282.45) 9694.69,6525.01 9698.5,6659.76 cw(c10326.67,6642.03) 9747.83,6886.69 cw(c10372.5,6622.66) 9841.65,7044.71 cw(c10239.19,6728.64) 10235.07,7236.5 ccw(c10223.6,8648.86) 10461.43,7256.62 ccw(c10135.02,9167.43) 11060.74,7464.26 ccw(c1228.99,25503.4) 11068.64,7468.57 11699.07,7812.54 cw(c12515.99,6315.26) 11957.78,7926.97 cw(c12359.67,6766.59) 12360,7994.59 12381.84,7994.59 12385.02,7991.41 12385.02,7985.58 12388.2,7982.4 12396.84,7982.4 12400.02,7985.58 12400.02,7991.41 12403.2,7994.59 12411.84,7994.59 12415.02,7991.41 12415.02,7985.58 12418.2,7982.4 12426.84,7982.4 12430.02,7985.58 12430.02,7991.41 12433.2,7994.59 12441.84,7994.59 12445.02,7991.41 12445.02,7985.58 12448.2,7982.4 12456.84,7982.4 12460.02,7985.58 12460.02,7991.41 12463.2,7994.59 12607.7,7994.59 cw(c12607.7,7927.7) v1(12655,7975)
  Bottom Layer w4.5: v1(9695.69,6240) ccw(c9728.51,6207.18) 9682.1,6207.18 9682.1,6100 ccw(c9723.37,6100) 9694.18,6070.82 9695,6070 cw(c9652.5,6027.5) 9712.61,6027.5 F1.A14@9712.61,5981.22